# Altium PCB standard_mic.PcbDoc (part 1 of 2)
Units mm, origin at the board's own origin, x right, y up, seen from the top; angles counter-clockwise.
Board outline 92.91 x 46.68 mm, 4 copper layers (Component Side, Signal Layer 1, Signal Layer 2, Solder Side), stack 0.846 mm thick; 118 components, 86 nets, 376 pads, 431 vias.
Unrouted connection lines stored in the file: 2.
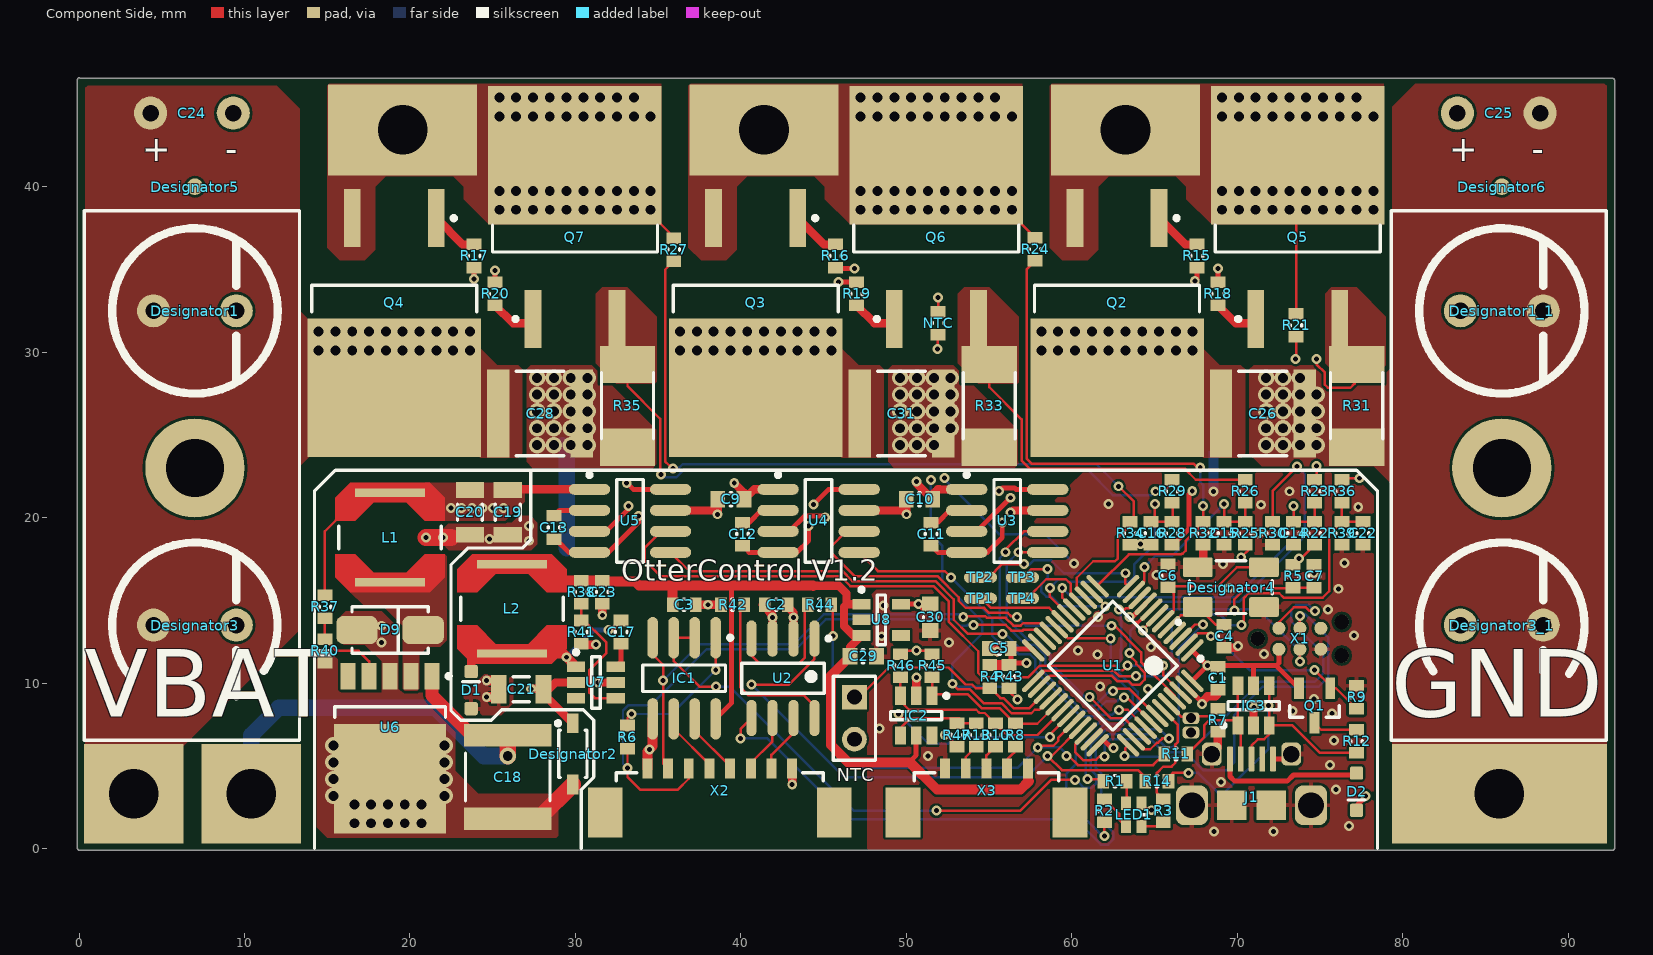
[diagram p0: Component Side view]
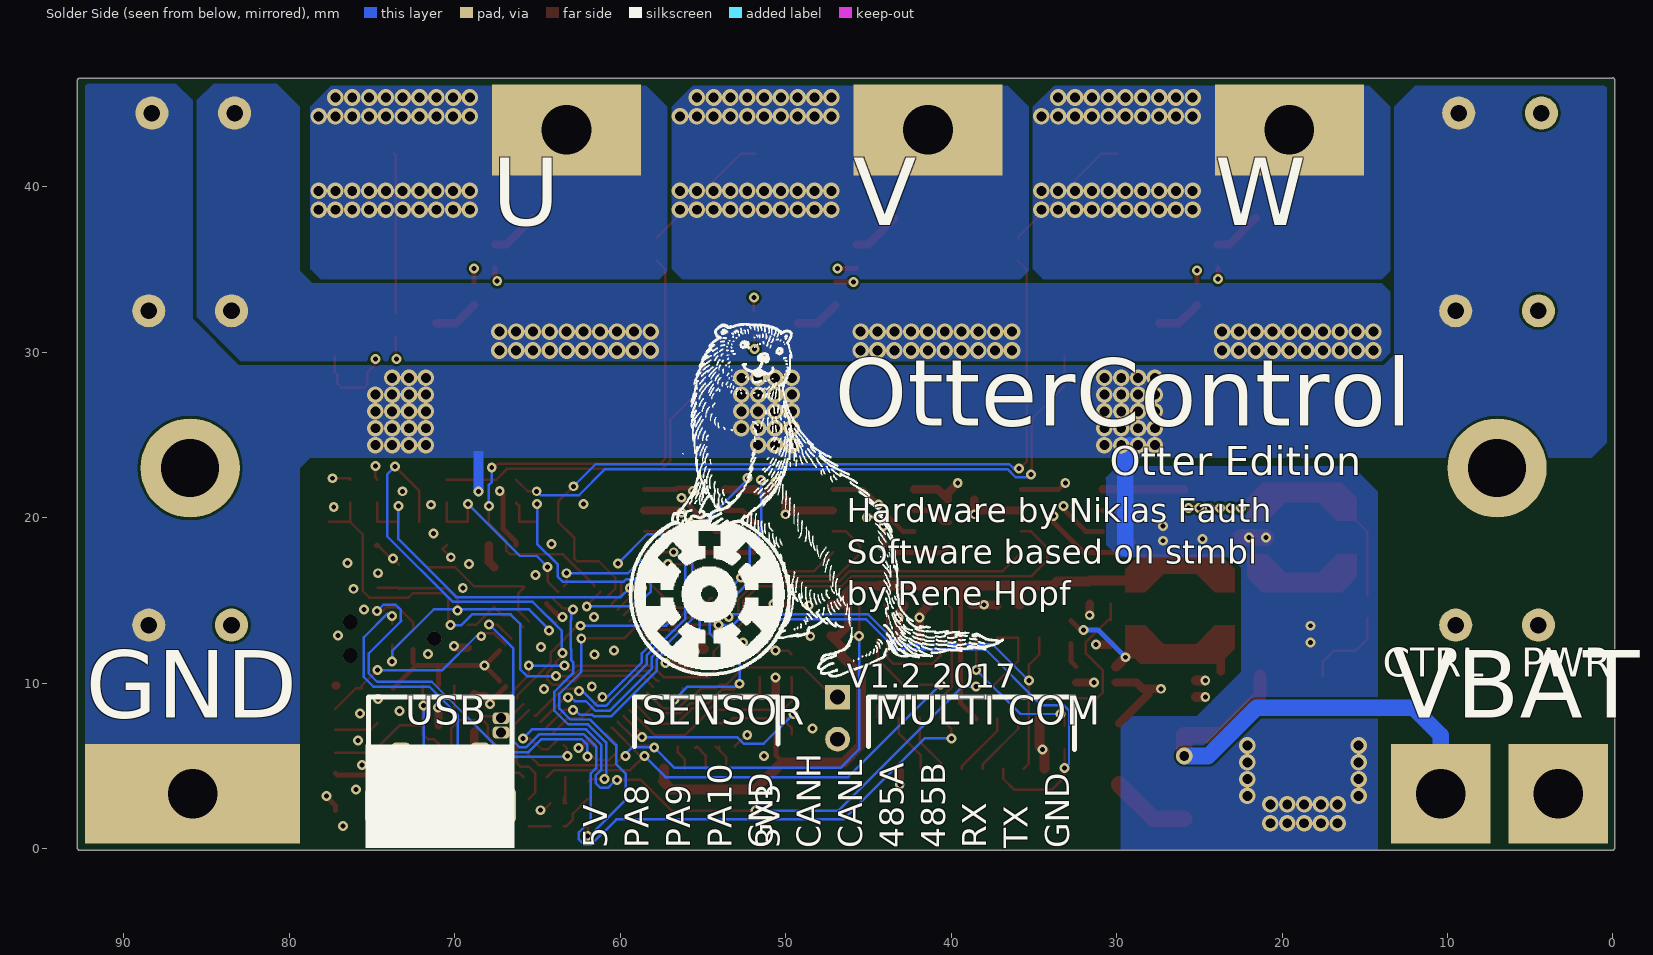
[diagram p1: Solder Side view, seen from below]
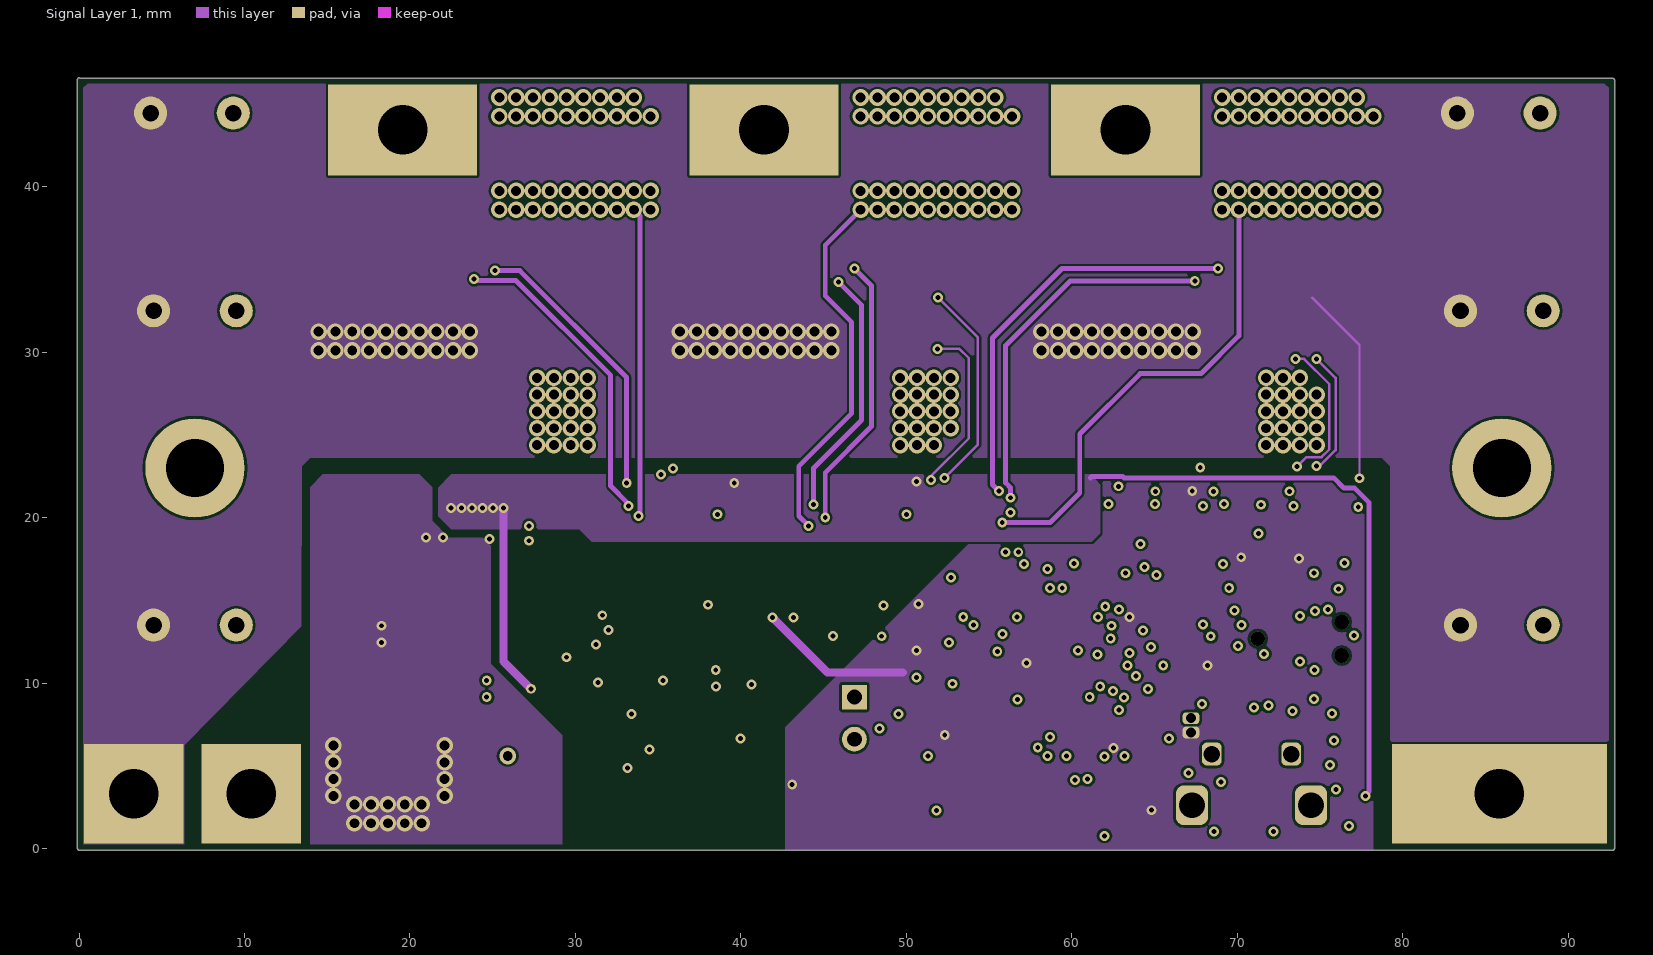
[diagram p2: Signal Layer 1]
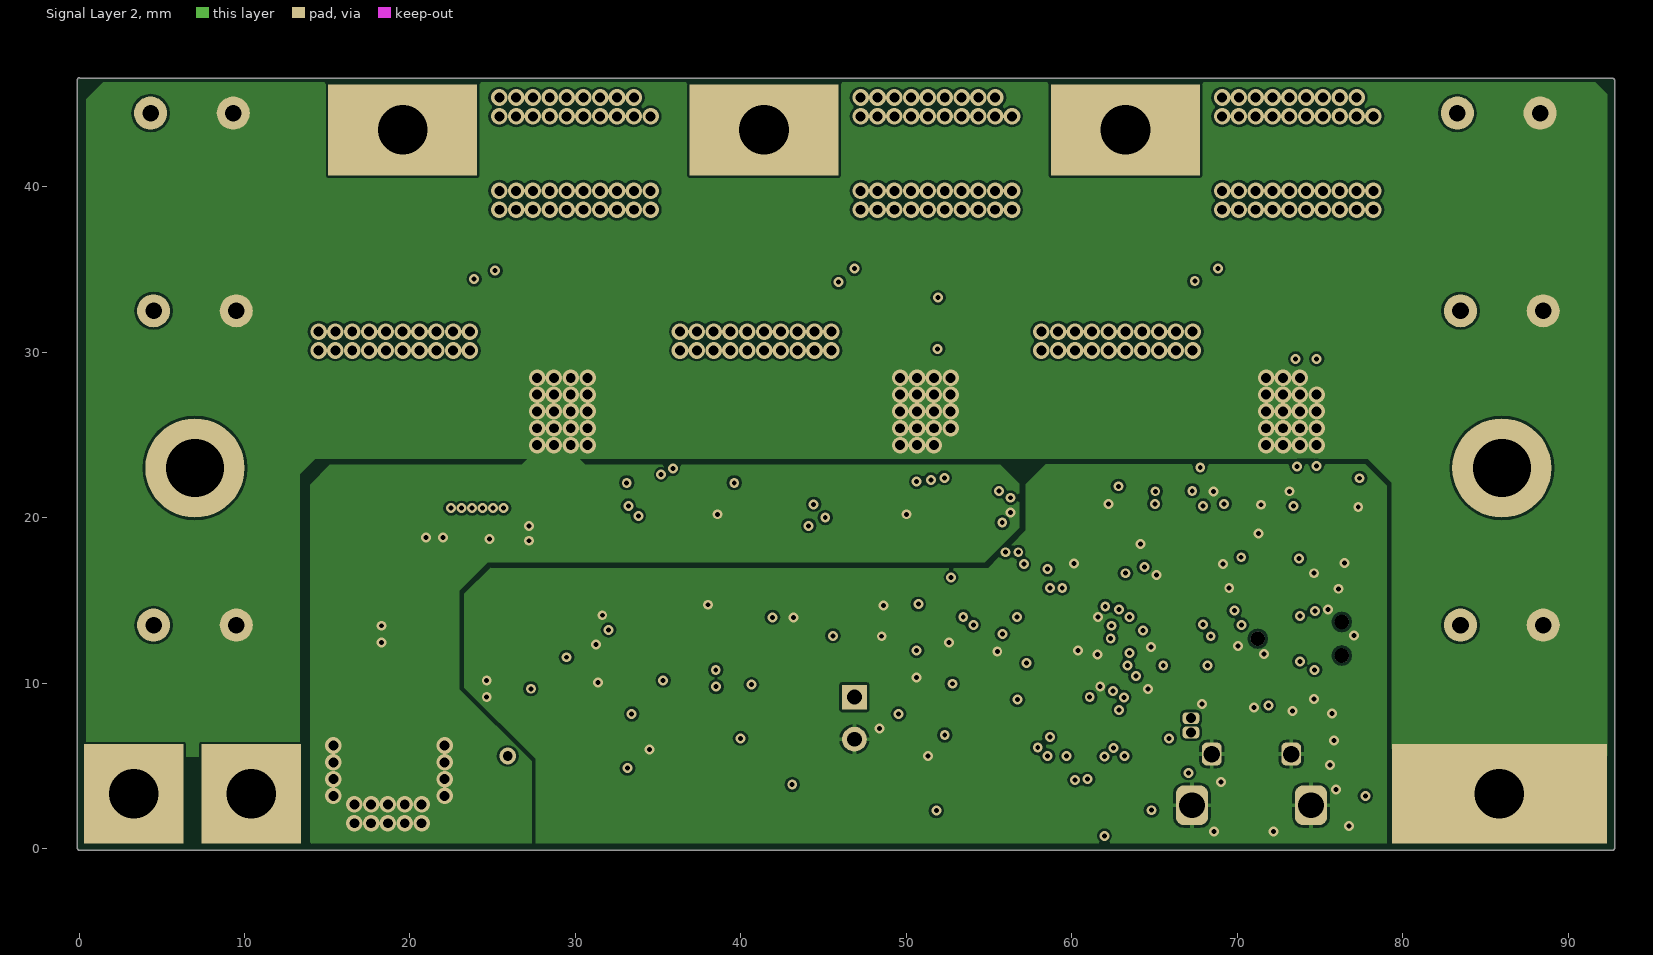
[diagram p3: Signal Layer 2]
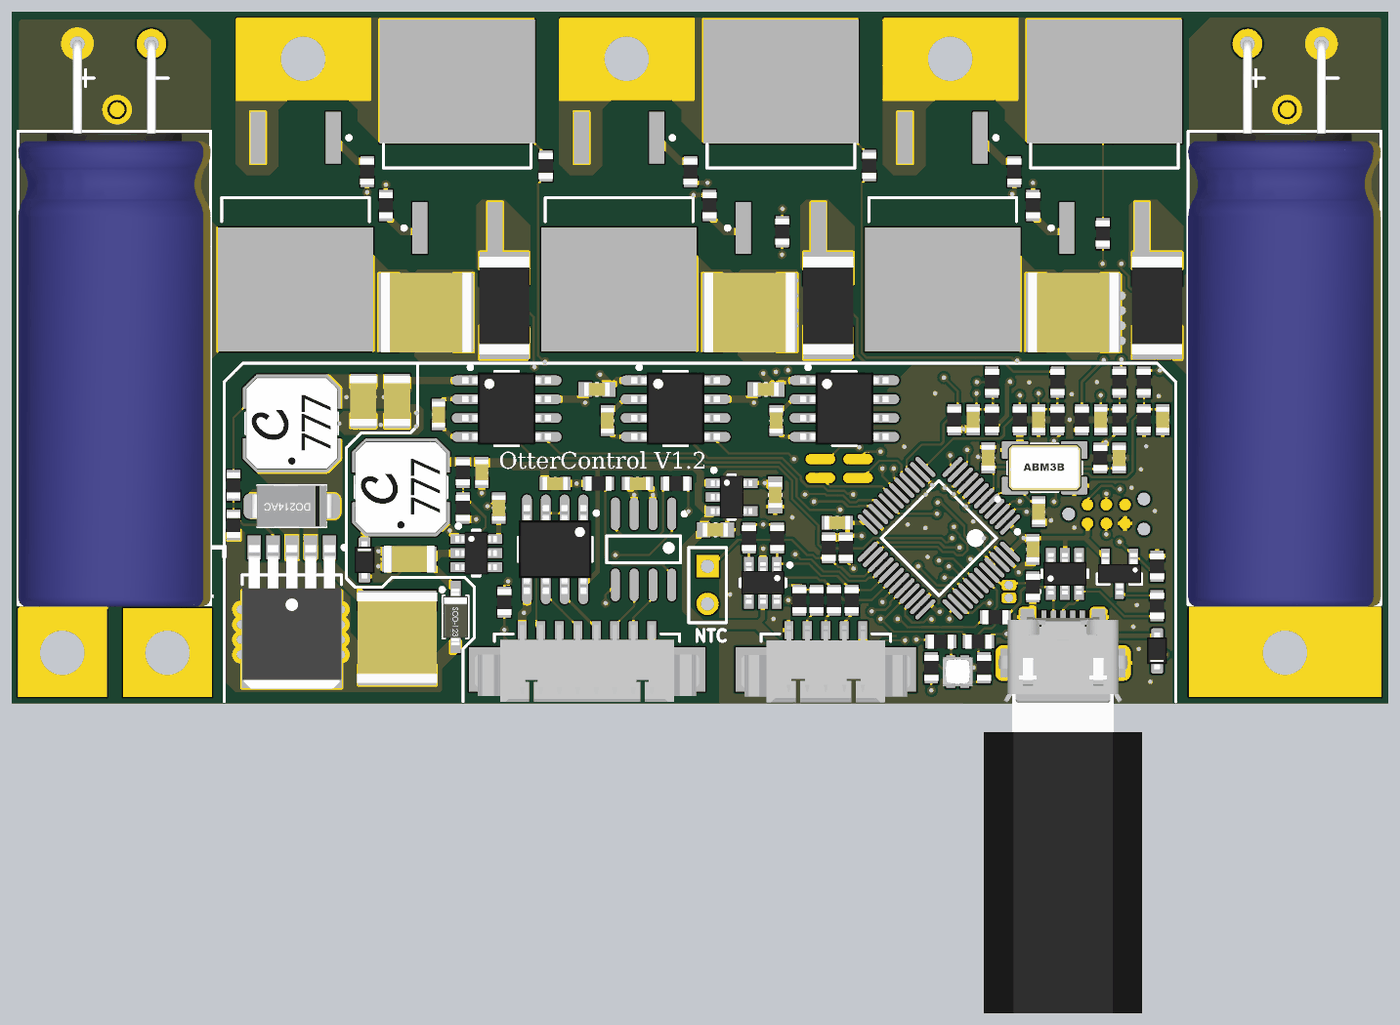
[diagram p5: 3D render of the assembled board from above, using the file's embedded part models]

## Layer stack, top to bottom
Top Solder: solder mask 0.0102, Solder Resist, Dk 3.5
Component Side: signal copper 0.07
Dielectric 1: core 0.254, FR-4, Dk 4.8
Signal Layer 1: signal copper 0.035
Dielectric 3: prepreg 0.127, Dk 4.2
Signal Layer 2: signal copper 0.036
Dielectric 4: core 0.254, Dk 4.2
Solder Side: signal copper 0.07
Bottom Solder: solder mask 0.0102, Solder Resist, Dk 3.5

## Board outline
-0.1,0 ccw(c0,0) 0,-0.1 92.71,-0.1 ccw(c92.71,0) 92.81,0 92.81,46.444 ccw(c92.71,46.444) 92.71,46.544 0.079,46.544 ccw(c0,46.482) -0.1,46.482

## Design rules (kind name [scope] priority, off if disabled: settings)
Clearance [All] p1: gap=0.15 ignorepadtopadclearanceinfootprint=FALSE
ComponentClearance [All] p1 off: gap=0.254 collisioncheckmode=3 verticalgap=0.254 showdistances=FALSE
PlaneConnect [All] p1: planeconnectstyle=Direct reliefexpansion=0.508 reliefentries=4 reliefconductorwidth=0.254 reliefairgap=0.254
PolygonConnect [IsPad And (Net = 'GND')] p1: connectstyle=Relief reliefconductorwidth=0.254 reliefentries=4 polygonreliefangle="90 Angle" airgapwidth=0.15
PolygonConnect PolygonConnect_1 [All] p2: connectstyle=Direct reliefconductorwidth=0.254 reliefentries=4 polygonreliefangle="90 Angle" airgapwidth=0.254
RoutingVias [All] p1: holewidth=0.3 width=0.6 viastyle="Through Hole" minholewidth=0.3 minwidth=0.6 maxholewidth=1 maxwidth=2
SilkToSilkClearance [All] p1 off: silktosilkclearance=0.254
SilkToSolderMaskClearance [IsPad] p1 off: minsilkscreentomaskgap=0.254 clearancetoexposedcopper=TRUE
SolderMaskExpansion [All] p1: expansion=0.102
Width [All] p1: maxlimit=5 minlimit=0.15 preferedwidth=0.15
26 further rules are at their usual default settings.

## Classes and differential pairs
component class CPU: C1 C2 C3 C4 C5 C6 C7 D2 IC1 IC2 IC3 J1 LED1 NTC P1 Q1 R1 R2 R3 R4 R5 R6 R7 R8 R9 R10 R11 R12 R13 R14 R42 R43 R45 R46 R47 TP1 TP2 TP3 TP4 U1 U2 X1 X2 X3
component class Power: C9 C10 C11 C12 C13 C14 C15 C16 C17 C18 C19 C20 C21 C22 C23 C24 C25 C26 C28 C29 C30 D1 D9 L1 L2 Q2 Q3 Q4 Q5 Q6 Q7 R15 R16 R17 R18 R19 R20 R21 R22 R23 R24 R25 R26 R27 R28 R29 R30 R31 R32 R33 R34 R35 R36 R37 R38 R39 R40 R41 U3 U4 U5 U6 U7 U8

## Components (designator, comment, footprint, x,y, rotation, side; value= is the part's Value field where it differs from the comment)
C1 "100n 25V" C-0603-H 68.834,10.287 r90 top
C2 "100n 25V" C-0603-H 42.139,14.732 r180 top
C3 "10u 6,3V" C-0603-H 36.576,14.732 r180 top
C4 "18p 50V" C-0603-H 69.215,12.827 r270 top
C5 "100n 25V" C-0603-H 55.626,12.09 r0 top
C6 "18p 50V" C-0603-H 65.809,16.479 r90 top
C7 "100n 25V" C-0603-H 74.651,16.459 r270 top
C9 "2.2u 16V" C-0603-M 39.4,21.1 r0 top
C10 "2.2u 16V" C-0603-M 50.8,21.1 r0 top
C11 "1u 25v" C-0603-H 51.5,19 r270 top
C12 "1u 25v" C-0603-H 40.1,19 r270 top
C13 "1u 25v" C-0603-H 28.7,19.4 r270 top
C14 "1n 50V" C-0603-H 73.406,19.05 r90 top
C15 "1n 50V" C-0603-H 69.215,19.05 r90 top
C16 "1n 50V" C-0603-H 64.795,19.05 r90 top
C17 "100n 50V" C-0603-H 32.766,13.081 r90 top
C18 "47u 100V" C-2220 25.908,4.318 r90 top
C19 "10u 25V" C-1206-H 25.908,20.32 r90 top
C20 "10u 25V" C-1206-H 23.622,20.32 r90 top
C21 "10u 25V" C-1206-H 26.721,9.627 r0 top
C22 "1n 50V" C-0603-H 77.597,19.05 r90 top
C23 "10u 6,3V" C-0603-H 31.623,15.494 r90 top
C24 "10F 2.7V" 12.5x31.5-angle 6.818,25.55 r270 top
C25 "10F 2.7V" 12.5x31.5-angle 85.812,25.55 r270 top
C26 "47u 100V" C-2220 71.552,26.289 r180 top
C28 "47u 100V" C-2220 27.864,26.29 r180 top
C29 "1u 10V" C-0603-M 47.396,11.608 r180 top
C30 "10u 6,3V" C-0603-M 51.435,13.97 r90 top
C31 "47u 100V" C-2220 49.708,26.289 r180 top
D1 "1N4148" SOD323F 23.698,9.576 r90 top
D2 "1N4148" SOD323F 77.216,3.429 r270 top
D9 "B230A-13-F" DIODE-SMA 18.796,13.208 r90 top
Designator1 "Comment" 10x12.5-5 7,32.5 r0 top
Designator1_1 "Comment" 10x12.5-5 86,32.5 r0 top
Designator2 "Comment" SOD123 29.845,5.715 r90 top
Designator3 "Comment" 10x12.5-5 7,13.5 r0 top
Designator3_1 "Comment" 10x12.5-5 86,13.5 r0 top
Designator4 "Comment" ABM3B 69.621,15.799 r0 top
Designator5 "Comment" Fiducial#1 6.858,39.899 r0 top
Designator6 "Comment" Fiducial#2 85.877,40.331 r0 top
IC1 "MAX485" SOIC-8 36.576,10.287 r270 top
IC2 "USBLC6-2SC6" SOT23-6 50.597,8.026 r270 top
IC3 "USBLC6-2SC6" SOT23-6 70.993,8.636 r90 top
J1 "USB Micro Type B (recommended if hand soldering)" USB_Micro-Molex 70.866,0.508 r0 top
L1 "LPS6235 100u" LPS6235 18.796,18.796 r90 top
L2 "LPS6235 6.8u" LPS6235 26.162,14.478 r90 top
LED1 "CLMVB-FKA" uLED 63.754,2.032 r90 top
NTC "Header 2" HDR1X2 46.863,9.144 r270 top (schematic designator P1)
NTC "NTC" R-0603-H 51.918,31.75 r90 top (schematic designator R44)
Q1 "Si2367DS" SOT-23 74.676,8.636 r270 top
Q2 "IRF3710" ONSC-D2PAK-3-418B-04_V#1 62.738,31.75 r270 top
Q3 "IRF3710" ONSC-D2PAK-3-418B-04_V#1 40.894,31.75 r270 top
Q4 "IRF3710" ONSC-D2PAK-3-418B-04_V#1 19.05,31.75 r270 top
Q5 "IRF3710" ONSC-D2PAK-3-418B-04_V#2 73.66,38.354 r90 top
Q6 "IRF3710" ONSC-D2PAK-3-418B-04_V#2 51.816,38.354 r90 top
Q7 "IRF3710" ONSC-D2PAK-3-418B-04_V#2 29.972,38.354 r90 top
R1 "470" R-0603-H 62.611,4.064 r180 top
R2 "470" R-0603-H 61.976,2.286 r270 top
R3 "470" R-0603-H 65.532,2.286 r90 top
R4 "10k" R-0603-H 55.042,10.389 r90 top
R5 "47k" R-0603-H 73.381,16.459 r90 top
R6 "470" R-0603-H 33.147,6.731 r90 top
R7 "20k" R-0603-H 68.834,7.747 r90 top
R8 "470" R-0603-H 56.591,6.858 r270 top
R9 "47k" R-0603-H 77.216,9.144 r90 top
R10 "470" R-0603-H 55.397,6.858 r270 top
R11 "22" R-0603-H 66.294,5.715 r180 top
R12 "1.5k" R-0603-H 77.216,6.477 r90 top
R13 "470" R-0603-H 54.229,6.858 r270 top
R14 "22" R-0603-H 65.151,4.064 r180 top
R15 "10" R-0603-H 67.564,35.814 r90 top
R16 "10" R-0603-H 45.72,35.814 r90 top
R17 "10" R-0603-H 23.876,35.814 r90 top
R18 "10" R-0603-H 68.834,33.528 r270 top
R19 "10" R-0603-H 46.99,33.528 r270 top
R20 "10" R-0603-H 25.146,33.528 r270 top
R21 "47k" R-0603-H 73.558,31.623 r90 top
R22 "5.1k" R-0603-H 74.676,19.05 r90 top
R23 "100" R-0603-H 74.676,21.59 r90 top
R24 "47k" R-0603-H 57.785,36.22 r90 top
R25 "5.1k" R-0603-H 70.485,19.05 r90 top
R26 "100" R-0603-H 70.485,21.59 r90 top
R27 "47k" R-0603-H 35.941,36.195 r90 top
R28 "5.1k" R-0603-H 66.065,19.05 r90 top
R29 "100" R-0603-H 66.065,21.59 r90 top
R30 "2k" R-0603-H 72.136,19.05 r90 top
R31 "3mOhm" R-2512-M 77.216,26.749 r90 top
R32 "2k" R-0603-H 67.945,19.05 r90 top
R33 "3mOhm" R-2512-M 55.016,26.749 r90 top
R34 "2k" R-0603-H 63.525,19.05 r90 top
R35 "3mOhm" R-2512-M 33.147,26.749 r90 top
R36 "47k" R-0603-H 76.327,21.59 r90 top
R37 "20k" R-0603-H 14.859,14.605 r90 top
R38 "47k" R-0603-H 30.353,15.494 r90 top
R39 "2k" R-0603-H 76.327,19.05 r90 top
R40 "2k" R-0603-H 14.859,11.938 r90 top
R41 "15k" R-0603-H 30.353,13.081 r90 top
R42 "10k" R-0603-H 39.497,14.732 r0 top
R43 "10k" R-0603-H 56.21,10.389 r90 top
R44 "10k" R-0603-H 44.755,14.732 r0 top (schematic designator R42)
R45 "470" R-0603-H 51.562,11.049 r90 top
R46 "470" R-0603-H 49.657,11.049 r90 top
R47 "470" R-0603-H 53.061,6.858 r270 top
TP1 "TP-SMD" TP 54.483,15.113 r180 top
TP2 "TP-SMD" TP 54.483,16.383 r180 top
TP3 "TP-SMD" TP 57.023,16.383 r180 top
TP4 "TP-SMD" TP 57.023,15.113 r180 top
U1 "STM32F303CBT6" STM-LQFP48_N 62.484,11.049 r225 top
U2 "MAX3051" SOIC-SN8_N 42.545,10.287 r270 top
U3 "MIC4605" SOIC-8 56.1,19.8 r0 top
U4 "MIC4605" SOIC-8 44.7,19.8 r0 top
U5 "MIC4605" SOIC-8 33.3,19.8 r0 top
U6 "XL7015" DPAK127P970X238-6L 18.796,6.064 r270 top
U7 "ACT4088" SOT23-6 31.242,10.033 r0 top
U8 "MIC5501-3.3V" SOT23-5 48.489,13.818 r0 top
X1 "TC2050-IDC" TC2030-IDC-NL 71.247,12.675 r0 top
X2 "53261-0871" mlx-picoBlade-8p-right-SMD 38.725,4.826 r180 top
X3 "53261-0571" mlx-picoBlade-5p-right-SMD 54.849,4.826 r180 top
